# Altium PCB LimeKEY-RPCM_1v0.PcbDoc (part 5 of 8)
Units mm, origin at the board's own origin, x right, y up, seen from the top; angles counter-clockwise.
Board outline 170.15 x 110.15 mm, 6 copper layers (Top, L2, L3, L4, L5, Bottom), stack 1.583 mm thick; 716 components, 436 nets, 3084 pads, 1299 vias.
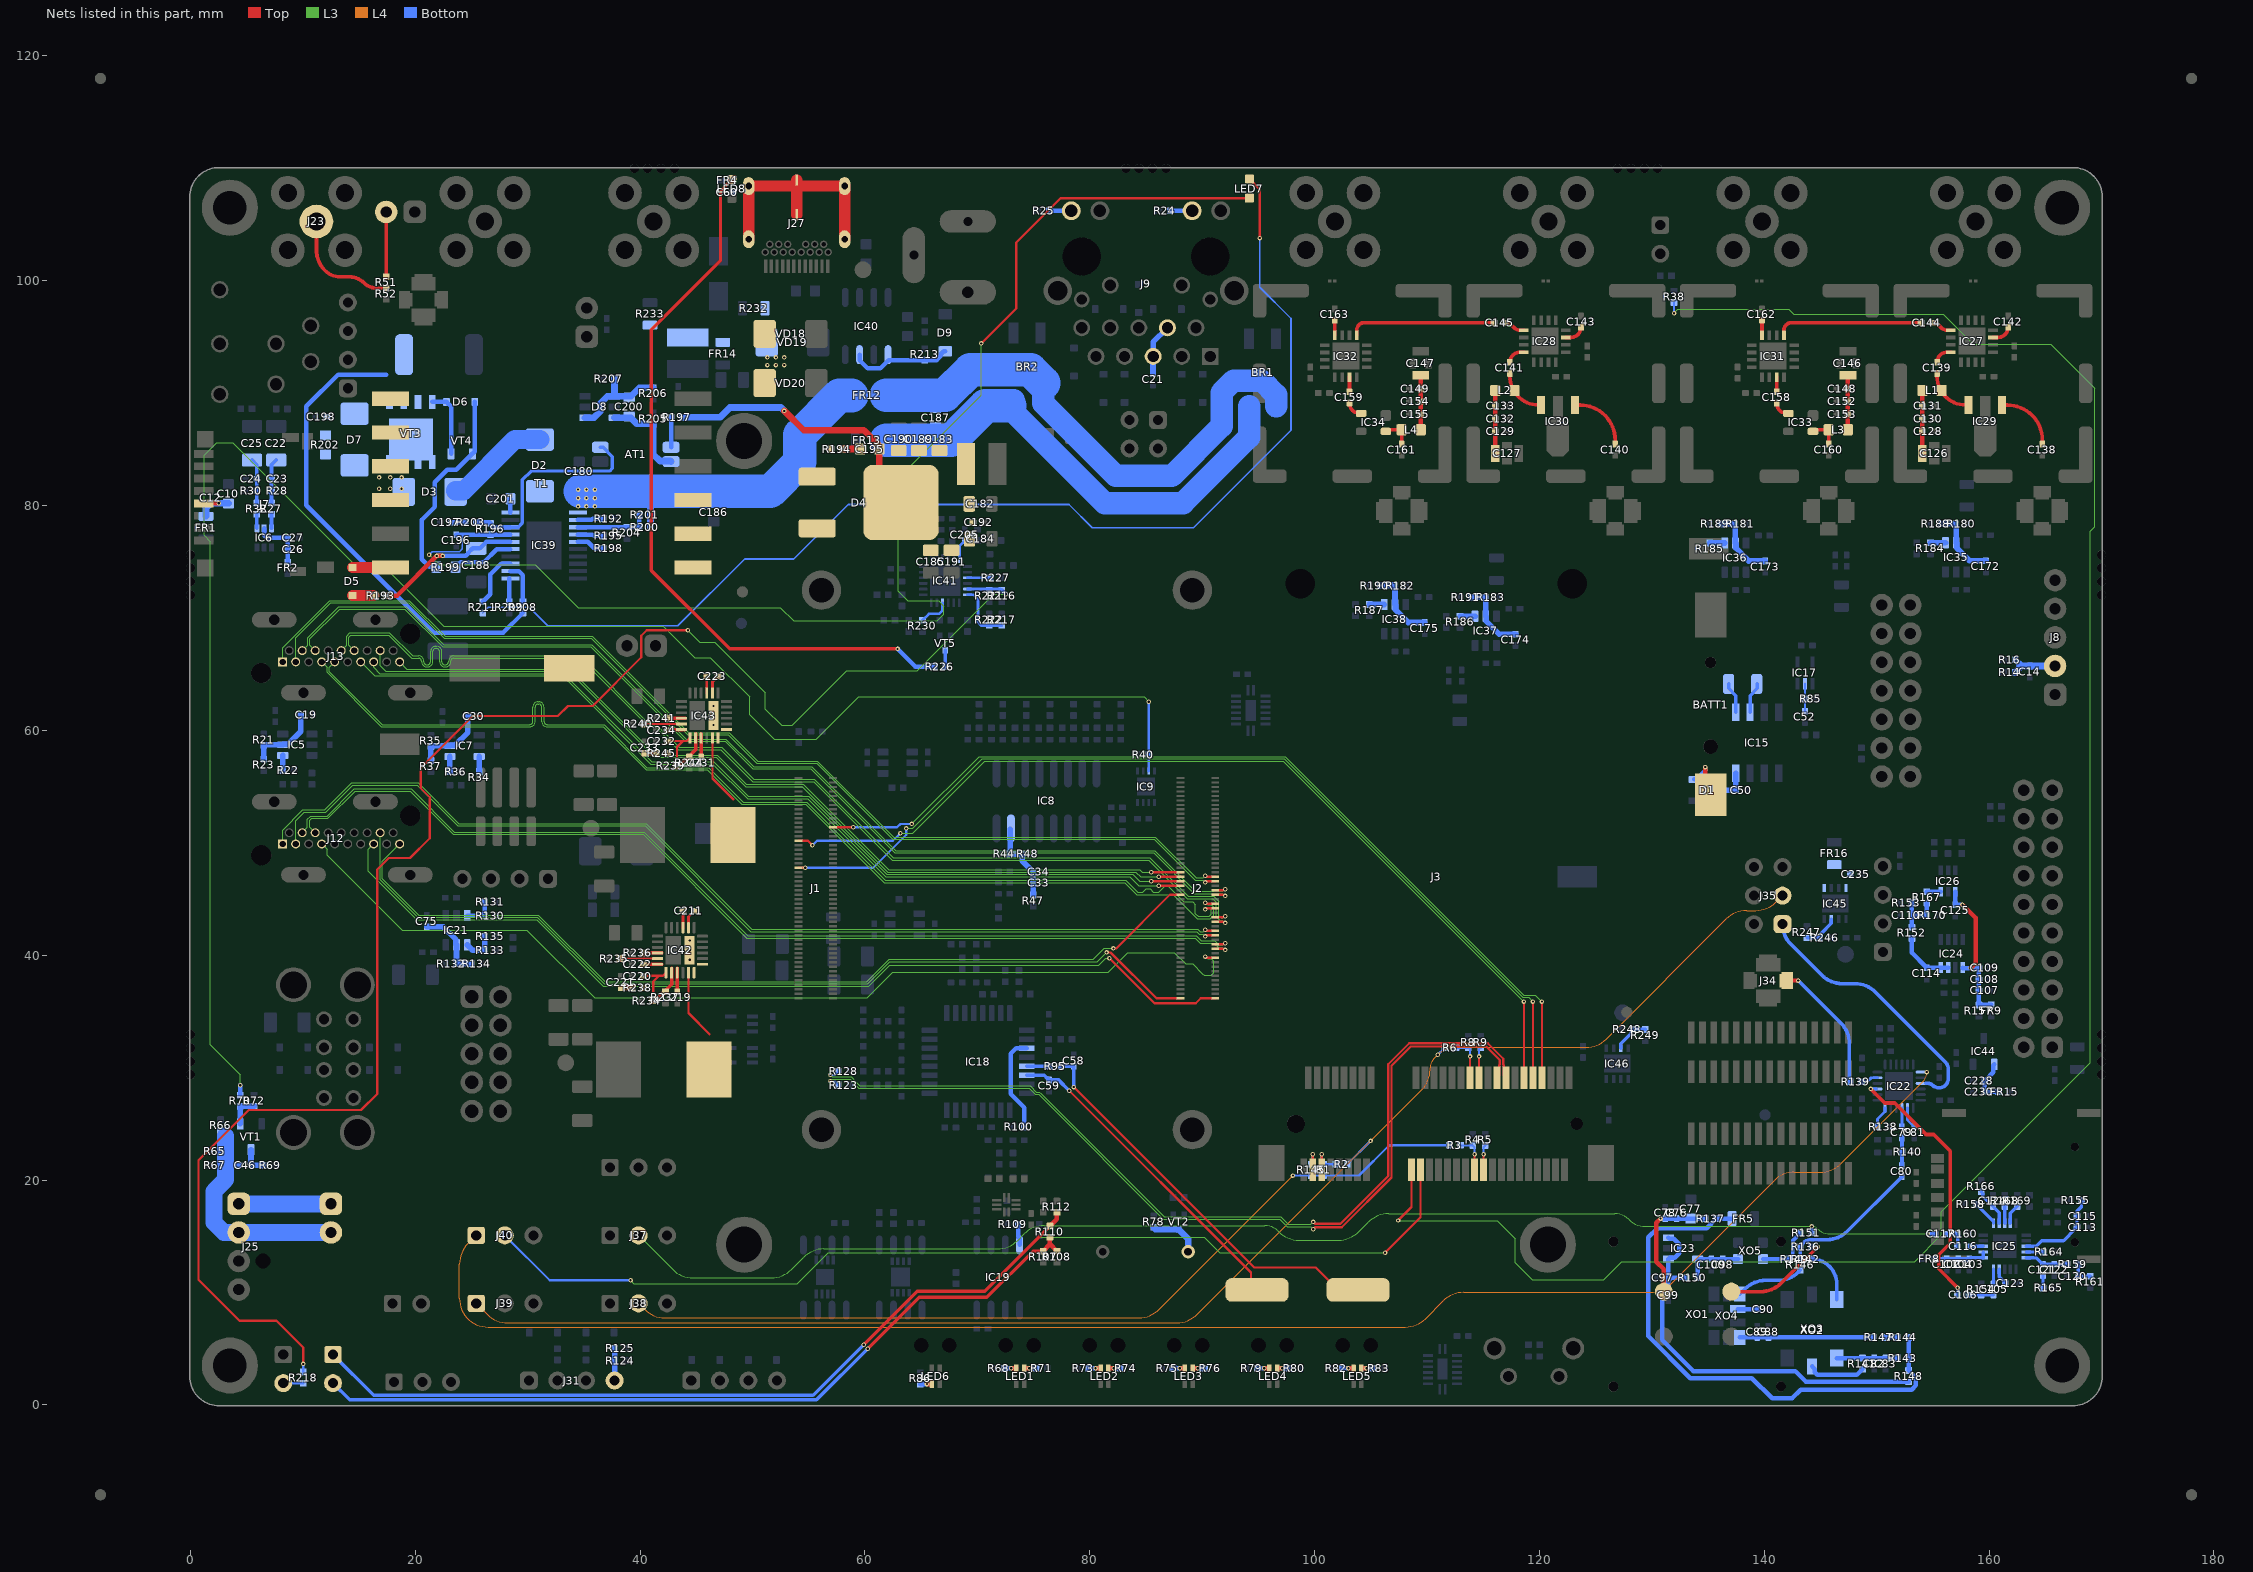
[diagram p9: the nets of this part, all layers, seen from the top]

## Via types
v1: diameter 0.4, hole 0.2, Top to Bottom, tented both sides, 1279 vias
v2: diameter 0.5, hole 0.2, Top to Bottom, tented both sides, 20 vias

## Nets (pads, with @x,y where several pads share a name; then routed paths per layer and width w, separated by ;. In a path a pad name is that pad's centre, name@x,y a point inside that pad or via, vN(x,y) a via of type N, cw(c..) or ccw(c..) an arc to the next point about the centre after c; other vN are vias at no path point) (continued)
HDMI0_D0_P: J2.82 J12.7 | length 90.8
  Top w0.2: v1(90.28,39.875) 90.38,39.775 J2.82@91.165,39.775
  L3 w0.1: J12.7@11.668,49.898 12.146,49.42 12.146,48.904 18.825,42.225 29.917,42.225 35.942,36.2 60.2,36.2 62.475,38.475 81.625,38.475 83.375,40.225 87.517,40.225 88.517,39.225 89.15,39.225 90.009,38.366 90.175,38.2 90.783,38.2 91.025,38.442 91.025,38.692 91.025,39.458 90.808,39.675 90.489,39.675 90.289,39.875 v1(90.28,39.875)
HDMI0_D1_N: J2.78 J12.6 | length 90.6
  Top w0.2: J2.78@91.165,40.575 91.95,40.575 v1(92.05,40.475)
  L3 w0.1: J12.6@11.09,50.898 10.6,51.388 10.6,51.992 10.783,52.175 12.225,52.175 14.65,54.6 19.542,54.6 23.392,50.75 40.267,50.75 49.492,41.525 89.392,41.525 89.842,41.075 91.05,41.075 91.45,40.675 91.841,40.675 92.041,40.475 v1(92.05,40.475)
HDMI0_D1_P: J2.76 J12.4 | length 90.9
  Top w0.2: J2.76@91.165,40.975 91.95,40.975 v1(92.05,41.075)
  L3 w0.1: J12.4@9.934,50.898 10.4,51.364 10.4,52.075 10.7,52.375 12.142,52.375 14.567,54.8 19.625,54.8 23.475,50.95 40.35,50.95 49.575,41.725 87.95,41.725 89.475,41.725 89.55,41.65 89.925,41.275 91.133,41.275 91.533,40.875 91.841,40.875 92.041,41.075 v1(92.05,41.075)
HDMI0_D2_N: J2.72 J12.3 | length 90.8
  Top w0.2: v1(90.28,41.675) 90.38,41.775 J2.72@91.165,41.775
  L3 w0.1: J12.3@9.356,49.898 9.356,51.981 10.1,52.725 12.033,52.725 14.433,55.125 20.167,55.125 23.792,51.5 40.442,51.5 49.842,42.1 89.525,42.1 89.75,41.875 90.071,41.875 90.271,41.675 v1(90.28,41.675)
HDMI0_D2_P: J2.70 J12.1 | length 91.5
  Top w0.2: v1(90.28,42.275) 90.38,42.175 J2.70@91.165,42.175
  L3 w0.1: J12.1@8.2,49.898 8.2,51.125 10,52.925 11.95,52.925 14.35,55.325 20.25,55.325 23.875,51.7 40.525,51.7 49.925,42.3 89.608,42.3 89.833,42.075 90.071,42.075 90.271,42.275 v1(90.28,42.275)
HDMI0_HOTPLUG: J2.53 J12.19 | length 81.7
  Top w0.2: v1(82.1,40.6) 82.349,40.6 87.124,45.375 J2.53@88.085,45.375
  L3 w0.1: J12.19@18.604,49.898 17.07,48.364 17.07,46.796 20.291,43.575 30.949,43.575 36.874,37.65 60.175,37.65 62.175,39.65 80.325,39.65 81.275,40.6 v1(82.1,40.6)
HDMI0_SCL: J2.100 J12.15 | length 85.1
  Top w0.2: v1(81.75,39.725) 85.75,35.725 89.425,35.725 89.875,36.175 J2.100@91.165,36.175
  L3 w0.1: J12.15@16.292,49.898 15.814,49.42 15.814,47.486 20.125,43.175 30.783,43.175 36.708,37.25 60.341,37.25 62.216,39.125 80.8,39.125 81.4,39.725 v1(81.75,39.725)
HDMI0_SDA: J2.99 J12.16 | length 82.1
  Top w0.2: v1(81.491,40.25) 81.85,40.25 85.925,36.175 J2.99@88.085,36.175
  L3 w0.1: J12.16@16.87,50.898 16.87,46.713 20.208,43.375 30.866,43.375 36.791,37.45 60.258,37.45 62.208,39.4 80.641,39.4 v1(81.491,40.25) v1@81.5,40.25
HDMI1_CEC: J2.49 J13.13 | length 81.2
  Top w0.2: v1(86.125,46.175) J2.49@88.085,46.175
  L3 w0.1: J13.13@15.136,66.098 16.384,64.85 33.1,64.85 40.95,57 46.475,57 49.55,53.925 54.926,53.925 61.851,47 83.55,47 84.375,46.175 v1(86.125,46.175)
HDMI1_CLK_N: J2.66 J13.12 | length 95.3
  Top w0.2: J2.66@91.165,42.975 91.95,42.975 v1(92.05,42.875)
  L3 w0.1: J13.12@14.558,67.098 14.08,67.576 14.08,68.297 14.258,68.475 17.617,68.475 19.667,66.425 20.29,66.425 cw(c20.29,66.165) 20.55,66.165 20.55,66.11 ccw(c21.01,66.11) 21.01,65.65 21.09,65.65 ccw(c21.09,66.11) 21.55,66.11 21.55,67.027 cw(c21.81,67.027) 21.81,67.287 21.89,67.287 cw(c21.89,67.027) 22.15,67.027 22.15,66.11 ccw(c22.61,66.11) 22.61,65.65 22.69,65.65 ccw(c22.69,66.11) 23.15,66.11 23.15,66.165 cw(c23.41,66.165) 23.41,66.425 34.675,66.425 40.6,60.5 41.175,60.5 43.375,58.3 47.175,58.3 50.025,55.45 55.425,55.45 62.425,48.45 85.25,48.45 88.675,45.025 90.608,45.025 90.925,45.025 91.25,44.7 91.25,43.425 91.6,43.075 91.841,43.075 v1@92.041,42.875
HDMI1_CLK_P: J2.64 J13.10 | length 95.6
  Top w0.2: J2.64@91.165,43.375 91.95,43.375 v1(92.05,43.475)
  L3 w0.1: J13.10@13.402,67.098 13.88,67.576 13.88,68.38 14.175,68.675 17.7,68.675 19.75,66.625 20.29,66.625 cw(c20.29,66.165) 20.75,66.165 20.75,66.11 ccw(c21.01,66.11) 21.01,65.85 21.09,65.85 ccw(c21.09,66.11) 21.35,66.11 21.35,67.027 cw(c21.81,67.027) 21.81,67.487 21.89,67.487 cw(c21.89,67.027) 22.35,67.027 22.35,66.11 ccw(c22.61,66.11) 22.61,65.85 22.69,65.85 ccw(c22.69,66.11) 22.95,66.11 22.95,66.165 cw(c23.41,66.165) 23.41,66.625 34.758,66.625 40.683,60.7 41.258,60.7 43.458,58.5 47.258,58.5 50.108,55.65 55.508,55.65 62.508,48.65 85.333,48.65 88.758,45.225 90.608,45.225 91.008,45.225 91.45,44.783 91.45,43.508 91.683,43.275 91.841,43.275 v1@92.041,43.475
HDMI1_D0_N: J2.60 J13.9 | length 95.3
  Top w0.2: v1(90.28,44.075) 90.38,44.175 J2.60@91.165,44.175
  L3 w0.1: J13.9@12.824,66.098 12.346,65.62 12.346,65.237 17.058,60.525 30.19,60.525 ccw(c30.19,60.785) 30.45,60.785 30.45,62.075 cw(c30.91,62.075) 30.91,62.535 30.99,62.535 cw(c30.99,62.075) 31.45,62.075 31.45,60.785 ccw(c31.71,60.785) 31.71,60.525 36.783,60.525 40.608,56.7 46.1,56.7 49.175,53.625 54.833,53.625 61.808,46.65 83.208,46.65 84.258,45.6 84.725,45.6 85.025,45.9 85.358,45.9 85.658,45.6 86.125,45.6 86.65,46.125 86.983,46.125 88.358,44.75 89.15,44.75 89.4,44.5 89.4,43.708 89.658,43.45 90.637,43.45 90.825,43.637 90.825,44.175 90.725,44.275 90.489,44.275 90.289,44.075 v1(90.28,44.075)
HDMI1_D0_P: J2.58 J13.7 | length 95.2
  Top w0.2: v1(90.28,44.675) 90.38,44.575 J2.58@91.165,44.575
  L3 w0.1: J13.7@11.668,66.098 12.146,65.62 12.146,65.154 16.975,60.325 30.19,60.325 ccw(c30.19,60.785) 30.65,60.785 30.65,62.075 cw(c30.91,62.075) 30.91,62.335 30.99,62.335 cw(c30.99,62.075) 31.25,62.075 31.25,60.785 ccw(c31.71,60.785) 31.71,60.325 36.7,60.325 40.525,56.5 45.975,56.5 49.05,53.425 54.75,53.425 61.725,46.45 83.125,46.45 84.175,45.4 87.425,45.4 89.575,43.25 90.72,43.25 91.025,43.555 91.025,44.258 90.808,44.475 90.489,44.475 90.289,44.675 v1(90.28,44.675)
HDMI1_D1_N: J2.54 J13.6 | length 95.3
  Top w0.2: J2.54@91.165,45.375 91.95,45.375 v1(92.05,45.275)
  L3 w0.1: J13.6@11.09,67.098 10.612,67.576 10.612,68.154 13.258,70.8 19.05,70.8 22.425,67.425 35.625,67.425 44.025,59.025 47.55,59.025 50,56.575 55.17,56.575 62.645,49.1 85.675,49.1 89.3,45.475 91.841,45.475 92.041,45.275 v1(92.05,45.275)
HDMI1_D1_P: J2.52 J13.4 | length 95.6
  Top w0.2: J2.52@91.165,45.775 91.95,45.775 v1(92.05,45.875)
  L3 w0.1: J13.4@9.934,67.098 10.412,67.576 10.412,68.237 13.175,71 19.15,71 22.525,67.625 35.708,67.625 44.108,59.225 47.633,59.225 50.083,56.775 54.903,56.775 55.253,56.775 62.728,49.3 85.758,49.3 89.383,45.675 91.841,45.675 92.041,45.875 v1(92.05,45.875)
HDMI1_D2_N: J2.48 J13.3 | length 95.6
  Top w0.2: v1(90.28,46.475) 90.38,46.575 J2.48@91.165,46.575
  L3 w0.1: J13.3@9.356,66.098 9.356,68.223 12.483,71.35 19.392,71.35 22.566,68.176 35.666,68.176 44.242,59.6 47.85,59.6 50.375,57.075 55.692,57.075 62.467,50.3 85.742,50.3 89.367,46.675 90.071,46.675 90.271,46.475 v1(90.28,46.475)
HDMI1_D2_P: J2.46 J13.1 | length 96.3
  Top w0.2: v1(90.28,47.075) 90.38,46.975 J2.46@91.165,46.975
  L3 w0.1: J13.1@8.2,66.098 8.2,67.35 12.4,71.55 19.475,71.55 22.649,68.376 35.749,68.376 44.325,59.8 47.933,59.8 50.458,57.275 55.775,57.275 62.55,50.5 85.825,50.5 89.45,46.875 90.071,46.875 90.271,47.075 v1(90.28,47.075)
HDMI1_HOTPLUG: J2.43 J13.19 | length 77.2
  Top w0.2: v1(85.475,47.375) J2.43@88.085,47.375
  L3 w0.1: J13.19@18.604,66.098 19.252,65.45 33.733,65.45 41.383,57.8 46.858,57.8 49.458,55.2 54.5,55.2 62.1,47.6 84.425,47.6 84.65,47.375 v1(85.475,47.375)
HDMI1_SCL: J2.47 J13.15 | length 80.2
  Top w0.2: v1(85.475,46.575) J2.47@88.085,46.575
  L3 w0.1: J13.15@16.292,66.098 J13.15@16.292,66.098 16.293,65.607 16.85,65.05 33.183,65.05 41.033,57.2 46.558,57.2 49.633,54.125 55.009,54.125 61.934,47.2 83.825,47.2 84.45,46.575 v1(85.475,46.575)
HDMI1_SDA: J2.45 J13.16 | length 80.3
  Top w0.2: v1(86.125,46.975) J2.45@88.085,46.975
  L3 w0.1: J13.16@16.87,67.098 16.87,65.755 17.375,65.25 33.65,65.25 41.3,57.6 46.775,57.6 49.375,55 54.417,55 62.017,47.4 84.1,47.4 84.525,46.975 v1(86.125,46.975)
HDR_INT_TO_EXT: J22.2 R51.2 | length 5.8
  Top w0.325: R51.2@17.4,100.35 J22.2@17.4,106.121
INT_TO_EXT: J23.1 R51.1 R52.1 | length 10.4
  Top w0.325: J23.1@11.2,105.275 11.2,102.727 ccw(c13.74,102.727) 11.944,100.931 ccw(c13.347,102.334) 13.347,100.35 14.122,100.35 cw(c14.122,98.472) 15.45,99.8 ccw(c16.536,100.886) 16.536,99.35 R51.1@17.4,99.35
ISNK_COARSE: IC41.5 R216.2 R218.2 R221.2 | length 146.2
  Top w0.2: v1(10.02,3.645) 10.02,5.105 7.65,7.475 4.35,7.475 0.7,11.125 0.7,21.75 5.175,26.225 15.175,26.225 16.6,27.65 16.6,47.625 17.625,48.65 19.525,48.65 21.275,50.4 21.275,54.05 20.475,54.85 20.475,56.65 25.1,61.275 32.675,61.275 33.575,62.175 35.775,62.175 40.1,66.5 40.1,68.425 40.575,68.9 v1(44.25,68.9)
  L3 w0.1: v1(44.25,68.9) 45.3,67.85 46.625,67.85 51.125,63.35 51.125,61.9 52.575,60.45 53.525,60.45 58.4,65.325 64.65,65.325 71.445,72.12 v1(72.516,72.12)
  Bottom w0.2: R218.2@10.02,2.93 v1(10.02,3.645)
  Bottom w0.25: IC41.5@69.116,72.575 R216.2@72.061,72.575
  Bottom w0.4: R216.2@72.166,72.47 v1(72.516,72.12)
ISNK_FINE: IC41.6 R217.2 R222.2 | length 5.4
  Bottom w0.25: IC41.6@69.116,72.075 69.661,72.075 70.041,71.695 70.041,69.645 70.341,69.345 R222.2@71.066,69.345 R217.2@72.166,69.345
LM75_OS: IC9.3 R40.1 R70.1 | length 162.5
  L3 w0.1: v1(4.425,28.425) 4.425,29.367 1.775,32.017 1.775,76.8 1.225,77.35 1.225,84.483 2.342,85.6 3.758,85.6 14.533,74.825 16.975,74.825 22.525,69.275 42.05,69.275 44.85,66.475 46.253,66.475 49.75,62.978 49.75,61.408 51.933,59.225 55.675,59.225 59.425,62.975 84.825,62.975 v1(85.25,62.55)
  Bottom w0.25: IC9.3@85.25,56.4 R40.1@85.25,57.851 v1(85.25,62.55)
  Bottom w0.4: R70.1@4.425,27.55 v1(4.425,28.425)
LMK_CLK_OUT1: IC22.5 R139.2 | length 1.6
  Bottom w0.25: R139.2@148.65,28.75 148.654,28.754 149.179,28.754 149.525,29.1 IC22.5@150.075,29.1
LMK_CLK_OUT2: IC22.13 J40.1 | length 147.2
  L4 w0.1: J40.1@25.419,15.075 24.669,14.325 ccw(c26.465,12.529) 23.925,12.529 23.925,9.465 ccw(c26.465,9.465) 26.465,6.925 108.073,6.925 ccw(c108.073,9.465) 109.869,7.669 111.456,9.256 cw(c113.252,7.46) 113.252,10 129.873,10 ccw(c129.873,12.54) 131.669,10.744 140.881,19.956 cw(c142.677,18.16) 142.677,20.7 145.013,20.7 ccw(c145.013,23.24) 146.809,21.444 154.104,28.739 ccw(c153.241,29.601) v1(154.461,29.601)
LMK_CLK_OUT3: IC22.15 J35.1 | length 24
  Bottom w0.325: J35.1@141.621,42.761 ccw(c144.113,42.761) 142.352,40.998 145.131,38.219 ccw(c146.927,40.015) 146.927,37.475 148.073,37.475 cw(c148.073,34.935) 149.869,36.731 156.15,30.45 cw(c155.607,29.907) 156.375,29.907 156.375,29.021 cw(c155.554,29.021) 155.554,28.2 cw(c155.554,29.054) 154.95,28.45 ccw(c154.588,28.088) 154.588,28.6 154.385,28.6
NetAT1_1: AT1.1 R197.2 | length 2.7
  Bottom w0.4: AT1.1@42.75,85.185 R197.2@42.75,87.85
NetAT1_2: AT1.2 C200.2 D8.3 R205.2 | length 8.2
  Bottom w0.6: D8.3@37.7,87.825 39.15,87.825 39.7,87.275 41.127,87.275 R205.2@41.155,87.247 41.155,84.57 41.767,83.958 42.707,83.958 AT1.2@42.75,83.915
NetBATT1_POSITIVE: BATT1.POSITIVE D1.A2 | length 3.6
  Top w0.4: BATT1.POSITIVE@134.758,54.767 v1(134.758,56.733)
  Bottom w0.4: D1.A2@133.758,55.638 133.958,55.638 134.758,56.438 v1(134.758,56.733)
NetBR1_1: BR1.1 BR2.1 C187.1 FR12.1 VD17.K | length 47.2
  Bottom w2: 75.85,90.675 75.85,89.125 82.325,82.65 87.3,82.65 91.725,87.075 91.725,90.05 92.8,91.125 95.3,91.125 96.575,89.85 BR1.1@96.575,88.85
  Bottom w3: 61.9,89.825 VD17.K@63.575,89.825 67.125,89.825 69.375,92.075 74.725,92.075 75.9,90.9
NetBR1_2: BR1.2 BR2.2 C187.2 FR13.1 VD17.A | length 42.8
  Bottom w2: BR2.2@73.225,89.35 73.225,88.325 81.325,80.225 88.3,80.225 94.175,86.1 BR1.2@94.175,88.85
  Bottom w3: 61.9,85.825 VD17.A@63.575,85.825 67.675,85.825 70.725,88.875 BR2.2@72.875,88.875
NetC10_2: C10.2 C12.1 FR1.1 J7.4 | length 4.2
  Top w0.4: J7.4@1.18,80.2 v1(2.5,80.2)
  Bottom w0.6: FR1.1@1.375,79.05 1.375,79.775 C12.1@1.8,80.2 v1(2.5,80.2) C10.2@3.375,80.2
NetC14_1: C14.1 J8.2 R14.2 R16.2 | length 4.5
  Bottom w0.6: R14.2@162.332,65.182 162.882,65.732 ; R16.2@162.332,66.282 162.882,65.732 ; J8.2@165.875,65.732 C14.1@163.632,65.732 162.882,65.732
NetC19_1: C19.1 IC5.5 R21.1 R23.2 | length 6.4
  Bottom w0.5: R23.2@6.51,57.423 R21.1@6.51,58.673 ; R21.1@6.562,58.725 IC5.5@8.2,58.725 8.25,58.775 8.662,58.775 9.8,59.913 C19.1@9.8,61.373
NetC21_1: C21.1 J9.4 J9.5 | length 4.6
  Bottom w0.5: C21.1@85.625,91.725 J9.5@85.625,93.265 ; J9.5@85.635,93.275 85.635,94.545 J9.4@86.905,95.815
NetC22_2: C22.2 C23.1 R27.2 R28.2 | length 4
  Bottom w0.325: R27.2@7.2,80.225 R28.2@7.2,81.325 C23.1@7.2,82.375 7.2,83.625 C22.2@7.625,84.05
NetC24_2: C24.2 C25.2 R30.1 R32.2 | length 4
  Bottom w0.325: C25.2@5.475,84.05 5.9,83.625 C24.2@5.9,82.375 R30.1@5.9,81.325 R32.2@5.9,80.225
NetC26_2: C26.2 C27.1 FR2.1 IC6.5 | length 5
  Bottom w0.4: IC6.5@6.55,77.975 6.55,77.375 6.8,77.125 C27.1@8.65,77.125 FR2.1@8.65,74.952
NetC30_1: C30.1 IC7.5 R35.1 R37.2 | length 6.4
  Bottom w0.5: R37.2@21.385,57.323 R35.1@21.385,58.573 ; R35.1@21.437,58.625 IC7.5@23.075,58.625 23.125,58.675 23.537,58.675 24.675,59.813 C30.1@24.675,61.273
NetC33_2: C33.2 C34.1 IC8.15 R44.1 R47.2 R48.1 | length 7.4
  Bottom w0.5: IC8.15@72.926,51.22 72.926,49.06 R44.1@72.876,49.01 R48.1@73.974,49.01 ; R48.1@73.974,49.01 73.986,48.998 73.986,48.398 74.926,47.458 74.926,47.435 C34.1@74.976,47.435 C33.2@74.976,46.435 R47.2@74.976,45.36
NetC46_1: C46.1 J25.2 J26.2 R65.2 R66.2 R67.2 | length 23.1
  Bottom w0.5: 2.675,23.825 R65.2@2.675,22.578 R67.2@2.675,21.325 3.125,21.325 C46.1@4.375,21.325
  Bottom w1.5: 3.125,23.925 3.125,21.325 3.125,20.025 2.1,19 2.1,16.225 2.987,15.338 J25.2@4.287,15.338 J26.2@12.491,15.338
NetC46_2: C46.2 J25.1 J26.1 R69.2 VT1.D | length 10.8
  Bottom w0.5: VT1.D@5.375,22.7 C46.2@5.375,21.325 R69.2@6.575,21.325
  Bottom w1.5: J25.1@4.287,17.88 J26.1@12.491,17.88
NetC50_1: C50.1 D1.C IC15.8 | length 2.9
  Bottom w0.5: D1.C@136.058,54.688 C50.1@137.47,54.688 IC15.8@137.47,56.188
NetC52_2: C52.2 IC17.2 R85.1 | length 2.4
  Bottom w0.2: C52.2@143.625,61.7 R85.1@143.625,62.8 IC17.2@143.625,64.15
NetC58_2: C58.2 R95.2 XT2.1 | length 35.8
  Top w0.2: v1(78.575,28.275) 94.625,12.225 100.1,12.225 102.1,10.225 XT2.1@103.875,10.225
  Bottom w0.325: R95.2@77.425,30.125 C58.2@78.575,30.125 v1@78.575,28.3
NetC59_2: C59.2 IC18.30 XT2.2 | length 31.9
  Top w0.2: v1(78.175,27.95) 94.35,11.775 94.35,10.75 XT2.2@94.843,10.257 ; XT2.2@94.075,11.164 93.168,10.257 XT2.2@94.843,10.257 ; XT2.2@94.875,10.225 XT2.2@94.843,10.257
  Bottom w0.325: IC18.30@74.4,29.325 75.95,29.325 76.238,29.037 76.288,29.037 C59.2@76.375,28.95 ; C59.2@76.375,28.9 77.225,28.9 v1(78.175,27.95)
NetC60_1: C60.1 FR4.2 J27.Shell | length 29.6
  Top w1: J27.Shell@49.655,103.695 49.655,105.575 49.655,106.65 J27.Shell@49.655,108.425 ; J27.Shell@53.925,105.875 53.925,108.425 ; J27.Shell@53.925,108.975 53.925,108.425 ; J27.Shell@58.195,103.695 J27.Shell@58.195,108.425 ; J27.Shell@49.655,108.425 J27.Shell@58.195,108.425 ; J27.Shell@49.655,108.425 53.925,108.425 ; 53.925,108.425 J27.Shell@58.195,108.425
NetC75_1: C75.1 IC21.5 R132.1 R134.2 | length 6.4
  Bottom w0.5: C75.1@21.01,42.53 22.47,42.53 23.608,41.392 23.608,40.98 IC21.5@23.658,40.93 R132.1@23.658,39.292 ; R132.1@23.71,39.24 R134.2@24.96,39.24
NetC76_2: C76.2 C77.2 C78.1 R137.2 XO1.4 | length 10.9
  Top w0.4: v1(130.775,16.575) 130.4,16.2 130.4,12.725 131.075,12.05 XO1.4@131.075,10.075
  Bottom w0.4: v1(130.775,16.575) C78.1@131.2,16.575 C76.2@132.2,16.575 C77.2@133.475,16.575 R137.2@134.725,16.575
NetC79_1: C79.1 IC22.21 | length 1.7
  Bottom w0.25: C79.1@152.25,24.75 IC22.21@152.25,26.425
NetC79_2: C79.2 C80.1 R140.2 | length 2.5
  Bottom w0.325: C80.1@152.25,21.3 R140.2@152.25,22.525 C79.2@152.25,23.75
NetC80_2: C80.2 R136.1 R142.1 R146.2 R149.1 | length 12.6
  Bottom w0.325: R142.1@143.2,12.975 R136.1@143.2,14.075 cw(c143.321,14.075) R136.1@143.235,14.16 ; R136.1@143.235,14.16 143.5,14.425 cw(c144.164,13.761) 144.164,14.7 145.598,14.7 ccw(c145.598,17.24) 147.394,15.444 152.113,20.163 152.163,20.163 152.25,20.25 C80.2@152.25,20.3
NetC81_2: C81.2 IC22.20 | length 1.9
  Bottom w0.25: IC22.20@152.75,26.425 152.75,25.35 C81.2@153.35,24.75
NetC82_2: C82.2 C83.2 R141.2 R143.1 XO2.5 XO3.4 | length 5.4
  Bottom w0.4: XO2.5@146.464,4.165 R141.2@148.74,4.165 C82.2@149.79,4.165 C83.2@150.79,4.165 R143.1@151.84,4.165
NetC88_2: C88.2 C89.2 R147.2 XO4.9 | length 11.9
  Bottom w0.4: XO4.9@137.825,6 C89.2@139.375,6 C88.2@140.375,6 R147.2@149.7,6
NetC90_2: C90.2 XO4.7 | length 1.8
  Bottom w0.4: XO4.7@137.65,8.525 C90.2@139.425,8.525
NetC97_2: C97.2 C99.2 IC23.1 IC23.3 R148.2 R150.2 | length 35.7
  Bottom w0.4: IC23.3@131.475,14.875 131.575,14.775 131.95,14.775 132.425,14.3 132.425,13.475 132.025,13.075 131.575,13.075 IC23.1@131.475,12.975 C97.2@131.475,11.3 ; R150.2@133.075,11.3 C97.2@131.475,11.3 ; R148.2@152.84,2.065 143.71,2.065 142.775,3 133.7,3 130.925,5.775 130.925,9.695 131.13,9.9 131.15,9.9 131.15,9.975 131.375,10.2 131.425,10.2 C99.2@131.475,10.25 131.475,10.3 C97.2@131.475,11.3
NetC98_2: C98.2 C100.2 IC23.5 R150.1 XO5.4 | length 5.3
  Bottom w0.4: R150.1@134.075,11.3 IC23.5@134.075,12.975 XO5.4@137.675,12.975
NetC102_2: C102.2 C103.1 C104.1 FR8.2 IC25.6 IC25.7 | length 4.8
  Bottom w0.3: FR8.2@155.2,13 C102.2@156.25,13 C104.1@157.25,13 C103.1@158.25,13 158.35,13.1 IC25.6@159.5,13.1 IC25.7@159.5,13.6
NetC105_1: C105.1 IC25.5 | length 1.3
  Bottom w0.3: C105.1@160.4,10.775 IC25.5@160.4,12.05
NetC105_2: C105.2 C106.1 R154.2 | length 2.2
  Bottom w0.3: C106.1@158.2,9.775 C105.2@160.4,9.775
NetC107_2: C107.2 C108.1 C109.1 C125.1 FR9.1 IC24.1 IC26.4 R157.2 | length 14
  Top w0.4: v1(157.637,44.488) 158.8,43.325 158.8,39.275 v1(158.374,38.849)
  Bottom w0.4: C125.1@156.999,44.49 IC26.4@156.999,45.649 ; C125.1@157.001,44.488 v1(157.637,44.488) ; IC24.1@157.649,38.884 157.649,38.849 v1(158.374,38.849) 159.099,38.849 C108.1@159.098,37.864 C107.2@159.098,36.864 R157.2@159.099,35.574 FR9.1@160.199,35.574
NetC110_2: C110.2 R152.1 R153.2 R167.1 R170.1 | length 4.6
  Bottom w0.4: R152.1@153.14,42.489 C110.2@153.14,43.549 ; R153.2@153.14,44.659 C110.2@153.14,43.549 ; R167.1@154.465,44.649 R170.1@154.465,43.549 C110.2@153.14,43.549
NetC113_2: C113.2 C115.1 IC25.18 R155.1 | length 7.8
  Bottom w0.3: IC25.18@163.3,14.1 164.199,14.1 164.699,14.6 166.625,14.6 167.675,15.65 167.675,15.7 167.775,15.8 C113.2@167.825,15.8 C115.1@167.825,16.8 167.825,17.225 168.225,17.625 R155.1@168.225,18.2
NetC114_1: C114.1 IC24.3 IC24.4 R152.2 | length 5.1
  Bottom w0.4: R152.2@153.14,41.489 153.14,40.208 154.374,38.974 154.424,38.974 154.474,38.924 C114.1@154.474,38.874 154.484,38.884 155.699,38.884 IC24.3@156.349,38.884
NetC116_1: C116.1 IC25.8 | length 1.3
  Bottom w0.3: C116.1@158.2,14.1 IC25.8@159.5,14.1